# KiCad board panel.kicad_pcb (continued)
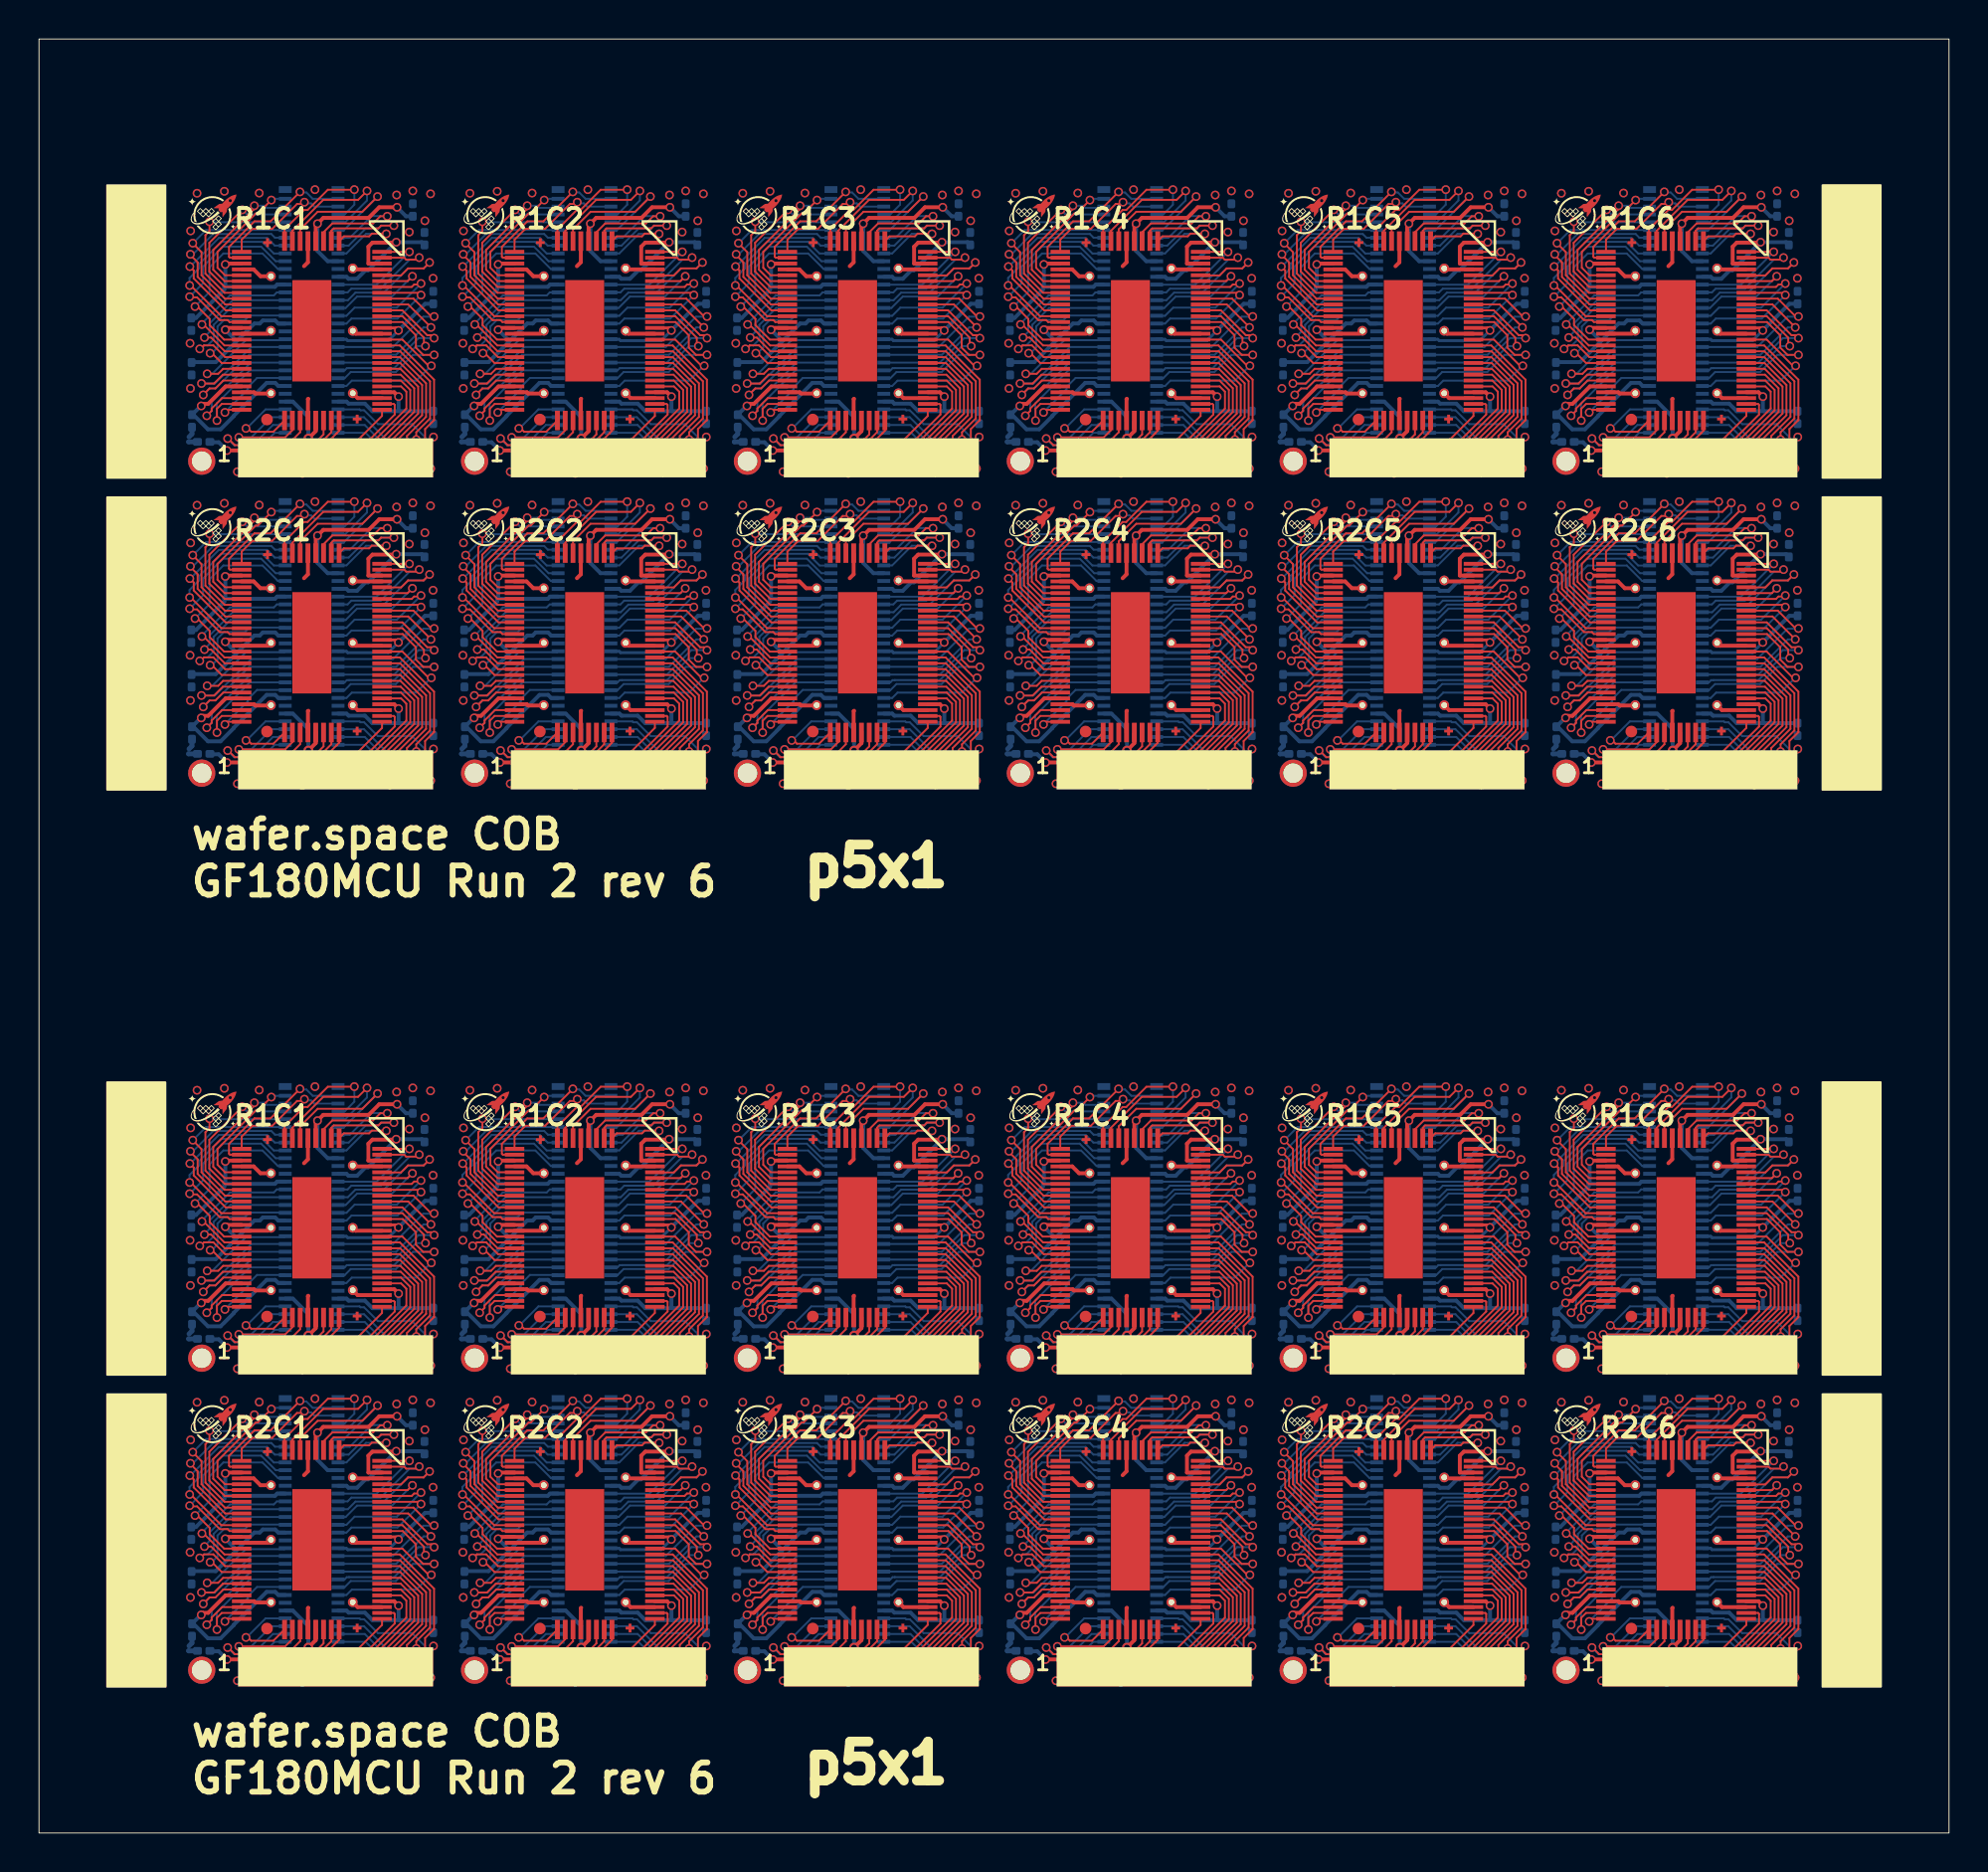
[diagram p0: board, top side]
## Nets (continued)
/bidir_31: U101.28 U101#2.28 U102.56 U102#2.56 U103.28 U103#2.28 U104.56 U104#2.56 U105.28 U105#2.28 U106.56 U106#2.56 U107.28 U107#2.28 U108.56 U108#2.56 U109.28 U109#2.28 U110.56 U110#2.56 U111.28 U111#2.28 U112.56 U112#2.56 U113.28 U113#2.28 U114.56 U114#2.56 U115.28 U115#2.28 U116.56 U116#2.56 U117.28 U117#2.28 U118.56 U118#2.56 U119.28 U119#2.28 U120.56 U120#2.56 U121.28 U121#2.28 U122.56 U122#2.56 U123.28 U123#2.28 U124.56 U124#2.56
/bidir_32: U101.27 U101#2.27 U102.57 U102#2.57 U103.27 U103#2.27 U104.57 U104#2.57 U105.27 U105#2.27 U106.57 U106#2.57 U107.27 U107#2.27 U108.57 U108#2.57 U109.27 U109#2.27 U110.57 U110#2.57 U111.27 U111#2.27 U112.57 U112#2.57 U113.27 U113#2.27 U114.57 U114#2.57 U115.27 U115#2.27 U116.57 U116#2.57 U117.27 U117#2.27 U118.57 U118#2.57 U119.27 U119#2.27 U120.57 U120#2.57 U121.27 U121#2.27 U122.57 U122#2.57 U123.27 U123#2.27 U124.57 U124#2.57
/bidir_33: U101.26 U101#2.26 U102.60 U102#2.60 U103.26 U103#2.26 U104.60 U104#2.60 U105.26 U105#2.26 U106.60 U106#2.60 U107.26 U107#2.26 U108.60 U108#2.60 U109.26 U109#2.26 U110.60 U110#2.60 U111.26 U111#2.26 U112.60 U112#2.60 U113.26 U113#2.26 U114.60 U114#2.60 U115.26 U115#2.26 U116.60 U116#2.60 U117.26 U117#2.26 U118.60 U118#2.60 U119.26 U119#2.26 U120.60 U120#2.60 U121.26 U121#2.26 U122.60 U122#2.60 U123.26 U123#2.26 U124.60 U124#2.60
/bidir_34: U101.23 U101#2.23 U102.61 U102#2.61 U103.23 U103#2.23 U104.61 U104#2.61 U105.23 U105#2.23 U106.61 U106#2.61 U107.23 U107#2.23 U108.61 U108#2.61 U109.23 U109#2.23 U110.61 U110#2.61 U111.23 U111#2.23 U112.61 U112#2.61 U113.23 U113#2.23 U114.61 U114#2.61 U115.23 U115#2.23 U116.61 U116#2.61 U117.23 U117#2.23 U118.61 U118#2.61 U119.23 U119#2.23 U120.61 U120#2.61 U121.23 U121#2.23 U122.61 U122#2.61 U123.23 U123#2.23 U124.61 U124#2.61
/bidir_35: U101.22 U101#2.22 U102.62 U102#2.62 U103.22 U103#2.22 U104.62 U104#2.62 U105.22 U105#2.22 U106.62 U106#2.62 U107.22 U107#2.22 U108.62 U108#2.62 U109.22 U109#2.22 U110.62 U110#2.62 U111.22 U111#2.22 U112.62 U112#2.62 U113.22 U113#2.22 U114.62 U114#2.62 U115.22 U115#2.22 U116.62 U116#2.62 U117.22 U117#2.22 U118.62 U118#2.62 U119.22 U119#2.22 U120.62 U120#2.62 U121.22 U121#2.22 U122.62 U122#2.62 U123.22 U123#2.22 U124.62 U124#2.62
/bidir_36: U101.21 U101#2.21 U102.63 U102#2.63 U103.21 U103#2.21 U104.63 U104#2.63 U105.21 U105#2.21 U106.63 U106#2.63 U107.21 U107#2.21 U108.63 U108#2.63 U109.21 U109#2.21 U110.63 U110#2.63 U111.21 U111#2.21 U112.63 U112#2.63 U113.21 U113#2.21 U114.63 U114#2.63 U115.21 U115#2.21 U116.63 U116#2.63 U117.21 U117#2.21 U118.63 U118#2.63 U119.21 U119#2.21 U120.63 U120#2.63 U121.21 U121#2.21 U122.63 U122#2.63 U123.21 U123#2.21 U124.63 U124#2.63
/bidir_37: U101.20 U101#2.20 U102.64 U102#2.64 U103.20 U103#2.20 U104.64 U104#2.64 U105.20 U105#2.20 U106.64 U106#2.64 U107.20 U107#2.20 U108.64 U108#2.64 U109.20 U109#2.20 U110.64 U110#2.64 U111.20 U111#2.20 U112.64 U112#2.64 U113.20 U113#2.20 U114.64 U114#2.64 U115.20 U115#2.20 U116.64 U116#2.64 U117.20 U117#2.20 U118.64 U118#2.64 U119.20 U119#2.20 U120.64 U120#2.64 U121.20 U121#2.20 U122.64 U122#2.64 U123.20 U123#2.20 U124.64 U124#2.64
/bidir_38: U101.17 U101#2.17 U102.65 U102#2.65 U103.17 U103#2.17 U104.65 U104#2.65 U105.17 U105#2.17 U106.65 U106#2.65 U107.17 U107#2.17 U108.65 U108#2.65 U109.17 U109#2.17 U110.65 U110#2.65 U111.17 U111#2.17 U112.65 U112#2.65 U113.17 U113#2.17 U114.65 U114#2.65 U115.17 U115#2.17 U116.65 U116#2.65 U117.17 U117#2.17 U118.65 U118#2.65 U119.17 U119#2.17 U120.65 U120#2.65 U121.17 U121#2.17 U122.65 U122#2.65 U123.17 U123#2.17 U124.65 U124#2.65
/bidir_39: U101.16 U101#2.16 U102.66 U102#2.66 U103.16 U103#2.16 U104.66 U104#2.66 U105.16 U105#2.16 U106.66 U106#2.66 U107.16 U107#2.16 U108.66 U108#2.66 U109.16 U109#2.16 U110.66 U110#2.66 U111.16 U111#2.16 U112.66 U112#2.66 U113.16 U113#2.16 U114.66 U114#2.66 U115.16 U115#2.16 U116.66 U116#2.66 U117.16 U117#2.16 U118.66 U118#2.66 U119.16 U119#2.16 U120.66 U120#2.66 U121.16 U121#2.16 U122.66 U122#2.66 U123.16 U123#2.16 U124.66 U124#2.66
/bidir_40: U101.15 U101#2.15 U102.67 U102#2.67 U103.15 U103#2.15 U104.67 U104#2.67 U105.15 U105#2.15 U106.67 U106#2.67 U107.15 U107#2.15 U108.67 U108#2.67 U109.15 U109#2.15 U110.67 U110#2.67 U111.15 U111#2.15 U112.67 U112#2.67 U113.15 U113#2.15 U114.67 U114#2.67 U115.15 U115#2.15 U116.67 U116#2.67 U117.15 U117#2.15 U118.67 U118#2.67 U119.15 U119#2.15 U120.67 U120#2.67 U121.15 U121#2.15 U122.67 U122#2.67 U123.15 U123#2.15 U124.67 U124#2.67
/bidir_41: U101.14 U101#2.14 U102.70 U102#2.70 U103.14 U103#2.14 U104.70 U104#2.70 U105.14 U105#2.14 U106.70 U106#2.70 U107.14 U107#2.14 U108.70 U108#2.70 U109.14 U109#2.14 U110.70 U110#2.70 U111.14 U111#2.14 U112.70 U112#2.70 U113.14 U113#2.14 U114.70 U114#2.70 U115.14 U115#2.14 U116.70 U116#2.70 U117.14 U117#2.14 U118.70 U118#2.70 U119.14 U119#2.14 U120.70 U120#2.70 U121.14 U121#2.14 U122.70 U122#2.70 U123.14 U123#2.14 U124.70 U124#2.70
/bidir_42: U101.13 U101#2.13 U102.71 U102#2.71 U103.13 U103#2.13 U104.71 U104#2.71 U105.13 U105#2.13 U106.71 U106#2.71 U107.13 U107#2.13 U108.71 U108#2.71 U109.13 U109#2.13 U110.71 U110#2.71 U111.13 U111#2.13 U112.71 U112#2.71 U113.13 U113#2.13 U114.71 U114#2.71 U115.13 U115#2.13 U116.71 U116#2.71 U117.13 U117#2.13 U118.71 U118#2.71 U119.13 U119#2.13 U120.71 U120#2.71 U121.13 U121#2.13 U122.71 U122#2.71 U123.13 U123#2.13 U124.71 U124#2.71
/bidir_43: U101.12 U101#2.12 U102.72 U102#2.72 U103.12 U103#2.12 U104.72 U104#2.72 U105.12 U105#2.12 U106.72 U106#2.72 U107.12 U107#2.12 U108.72 U108#2.72 U109.12 U109#2.12 U110.72 U110#2.72 U111.12 U111#2.12 U112.72 U112#2.72 U113.12 U113#2.12 U114.72 U114#2.72 U115.12 U115#2.12 U116.72 U116#2.72 U117.12 U117#2.12 U118.72 U118#2.72 U119.12 U119#2.12 U120.72 U120#2.72 U121.12 U121#2.12 U122.72 U122#2.72 U123.12 U123#2.12 U124.72 U124#2.72
/clk: U101.8 U101#2.8 U102.1 U102#2.1 U103.8 U103#2.8 U104.1 U104#2.1 U105.8 U105#2.8 U106.1 U106#2.1 U107.8 U107#2.8 U108.1 U108#2.1 U109.8 U109#2.8 U110.1 U110#2.1 U111.8 U111#2.8 U112.1 U112#2.1 U113.8 U113#2.8 U114.1 U114#2.1 U115.8 U115#2.8 U116.1 U116#2.1 U117.8 U117#2.8 U118.1 U118#2.1 U119.8 U119#2.8 U120.1 U120#2.1 U121.8 U121#2.8 U122.1 U122#2.1 U123.8 U123#2.8 U124.1 U124#2.1
/in_0: U101.6 U101#2.6 U102.3 U102#2.3 U103.6 U103#2.6 U104.3 U104#2.3 U105.6 U105#2.6 U106.3 U106#2.3 U107.6 U107#2.6 U108.3 U108#2.3 U109.6 U109#2.6 U110.3 U110#2.3 U111.6 U111#2.6 U112.3 U112#2.3 U113.6 U113#2.6 U114.3 U114#2.3 U115.6 U115#2.6 U116.3 U116#2.3 U117.6 U117#2.6 U118.3 U118#2.3 U119.6 U119#2.6 U120.3 U120#2.3 U121.6 U121#2.6 U122.3 U122#2.3 U123.6 U123#2.6 U124.3 U124#2.3
/in_1: U101.5 U101#2.5 U102.6 U102#2.6 U103.5 U103#2.5 U104.6 U104#2.6 U105.5 U105#2.5 U106.6 U106#2.6 U107.5 U107#2.5 U108.6 U108#2.6 U109.5 U109#2.5 U110.6 U110#2.6 U111.5 U111#2.5 U112.6 U112#2.6 U113.5 U113#2.5 U114.6 U114#2.6 U115.5 U115#2.5 U116.6 U116#2.6 U117.5 U117#2.5 U118.6 U118#2.6 U119.5 U119#2.5 U120.6 U120#2.6 U121.5 U121#2.5 U122.6 U122#2.6 U123.5 U123#2.5 U124.6 U124#2.6
/in_2: U101.4 U101#2.4 U102.7 U102#2.7 U103.4 U103#2.4 U104.7 U104#2.7 U105.4 U105#2.4 U106.7 U106#2.7 U107.4 U107#2.4 U108.7 U108#2.7 U109.4 U109#2.4 U110.7 U110#2.7 U111.4 U111#2.4 U112.7 U112#2.7 U113.4 U113#2.4 U114.7 U114#2.7 U115.4 U115#2.4 U116.7 U116#2.7 U117.4 U117#2.4 U118.7 U118#2.7 U119.4 U119#2.4 U120.7 U120#2.7 U121.4 U121#2.4 U122.7 U122#2.7 U123.4 U123#2.4 U124.7 U124#2.7
/in_3: U101.3 U101#2.3 U102.8 U102#2.8 U103.3 U103#2.3 U104.8 U104#2.8 U105.3 U105#2.3 U106.8 U106#2.8 U107.3 U107#2.3 U108.8 U108#2.8 U109.3 U109#2.3 U110.8 U110#2.8 U111.3 U111#2.3 U112.8 U112#2.8 U113.3 U113#2.3 U114.8 U114#2.8 U115.3 U115#2.3 U116.8 U116#2.8 U117.3 U117#2.3 U118.8 U118#2.8 U119.3 U119#2.3 U120.8 U120#2.8 U121.3 U121#2.3 U122.8 U122#2.8 U123.3 U123#2.3 U124.8 U124#2.8
/rst_n: U101.7 U101#2.7 U102.2 U102#2.2 U103.7 U103#2.7 U104.2 U104#2.2 U105.7 U105#2.7 U106.2 U106#2.2 U107.7 U107#2.7 U108.2 U108#2.2 U109.7 U109#2.7 U110.2 U110#2.2 U111.7 U111#2.7 U112.2 U112#2.2 U113.7 U113#2.7 U114.2 U114#2.2 U115.7 U115#2.7 U116.2 U116#2.2 U117.7 U117#2.7 U118.2 U118#2.2 U119.7 U119#2.7 U120.2 U120#2.2 U121.7 U121#2.7 U122.2 U122#2.2 U123.7 U123#2.7 U124.2 U124#2.2
PWR_AUX_0: C105.1 C105#2.1 C113.1 C113#2.1 C121.1 C121#2.1 C129.1 C129#2.1 C137.1 C137#2.1 C145.1 C145#2.1 C153.1 C153#2.1 C161.1 C161#2.1 C169.1 C169#2.1 C177.1 C177#2.1 C185.1 C185#2.1 C193.1 C193#2.1 U101.54 U101#2.54 U102.23 U102#2.23 U103.54 U103#2.54 U104.23 U104#2.23 U105.54 U105#2.54 U106.23 U106#2.23 U107.54 U107#2.54 U108.23 U108#2.23 U109.54 U109#2.54 U110.23 U110#2.23 U111.54 U111#2.54 U112.23 U112#2.23 U113.54 U113#2.54 U114.23 U114#2.23 U115.54 U115#2.54 U116.23 U116#2.23 U117.54 U117#2.54 U118.23 U118#2.23 U119.54 U119#2.54 U120.23 U120#2.23 U121.54 U121#2.54 U122.23 U122#2.23 U123.54 U123#2.54 U124.23 U124#2.23
PWR_AUX_1: C106.1 C106#2.1 C114.1 C114#2.1 C122.1 C122#2.1 C130.1 C130#2.1 C138.1 C138#2.1 C146.1 C146#2.1 C154.1 C154#2.1 C162.1 C162#2.1 C170.1 C170#2.1 C178.1 C178#2.1 C186.1 C186#2.1 C194.1 C194#2.1 U101.19 U101#2.19 U102.58 U102#2.58 U103.19 U103#2.19 U104.58 U104#2.58 U105.19 U105#2.19 U106.58 U106#2.58 U107.19 U107#2.19 U108.58 U108#2.58 U109.19 U109#2.19 U110.58 U110#2.58 U111.19 U111#2.19 U112.58 U112#2.58 U113.19 U113#2.19 U114.58 U114#2.58 U115.19 U115#2.19 U116.58 U116#2.58 U117.19 U117#2.19 U118.58 U118#2.58 U119.19 U119#2.19 U120.58 U120#2.58 U121.19 U121#2.19 U122.58 U122#2.58 U123.19 U123#2.19 U124.58 U124#2.58

## Via types
v1: diameter 0.45, hole 0.3, Top to Bottom, 2016 vias
v2: diameter 0.5, hole 0.3, Top to Bottom, 24 vias

## Routing (per net, layer and track width the routed paths; a pad name or vN(x,y) marks a point on that pad's centre or on a via; arc(x,y) is an arc through that point)
GND: length 310.8
  Top w0.15: 53.75,76.89 U108#2.77 ; 81.75,60.89 U124#2.77 ; 81.75,76.89 U112#2.77 ; 25.75,30.89 U104#2.77 ; 39.75,30.89 U106.77 ; 25.75,60.89 U116.77 ; 67.75,30.89 U110#2.77 ; 67.75,60.89 U122.77 ; 25.75,76.89 U104.77 ; 67.75,76.89 U110.77 ; 11.75,76.89 U102.77 ; 67.75,14.89 U122#2.77 ; 81.75,30.89 U112.77 ; 53.75,14.89 U120.77 ; 53.75,60.89 U120#2.77 ; 11.75,30.89 U102#2.77 ; 39.75,60.89 U118#2.77 ; 81.75,14.89 U124.77 ; 39.75,14.89 U118.77 ; 39.75,76.89 U106#2.77 ; 25.75,14.89 U116#2.77 ; 11.75,14.89 U114#2.77 ; 53.75,30.89 U108.77 ; 11.75,60.89 U114.77
  Top w0.2: U124.69 81.03,11.89 81.1,11.82 81.88,11.82 U124.78 ; U120.76 53.36,17.84 53.01,18.19 52.4,18.19 ; U120.69 53.03,11.89 53.1,11.82 53.88,11.82 U120.78 ; 24.4,18.19 25.01,18.19 25.36,17.84 U116#2.76 ; U120.80 58.25,14.89 U120.22 ; 69.6,80.35 69.8,80.55 U110.41 ; U114.22 16.25,60.89 U114.80 ; U116#2.41 27.8,18.55 27.6,18.35 ; U124.22 86.25,14.89 U124.80 ; 80.4,73.88 81.03,73.89 81.1,73.82 81.88,73.82 U112#2.78 ; 27.82,73.55 27.8,73.53 U104.4 ; U120#2.4 55.8,57.53 55.82,57.55 ; 10.4,64.19 11.01,64.19 11.36,63.84 U114.76 ; U104#2.76 25.36,33.84 25.01,34.19 24.4,34.19 ; 59.6,64.19 58.15,64.19 U120#2.81 ; U106#2.81 44.15,80.19 U106#2.33 ; 38.4,18.19 39.01,18.19 39.36,17.84 U118.76 ; 83.6,18.35 83.8,18.55 U124.41 ; 41.6,80.35 41.8,80.55 U106#2.41 ; U114#2.81 16.15,18.19 17.6,18.19 ; 27.6,34.35 27.8,34.55 U104#2.41 ; U112#2.4 83.8,73.53 83.82,73.55 ; U106.11 44.35,27.59 U106.79 ; U114.78 11.88,57.82 11.1,57.82 11.03,57.89 U114.69 ; U120.59 53.75,14.89 ; U108.81 58.15,34.19 59.6,34.19 ; 55.82,27.55 55.8,27.53 U108.4 ; U114#2.4 13.8,11.53 13.82,11.55 ; 69.82,73.55 69.8,73.53 U110.4 ; 27.82,11.55 27.8,11.53 U116#2.4 ; 69.82,57.55 69.8,57.53 U122.4 ; 80.4,64.19 81.01,64.19 81.36,63.84 U124#2.76 ; U110#2.22 72.25,30.89 U110#2.80 ; 69.6,64.35 69.8,64.55 U122.41 ; U114.41 13.8,64.55 13.6,64.35 ; U122#2.81 72.15,18.19 73.6,18.19 ; U118.69 39.03,11.89 39.1,11.82 39.88,11.82 U118.78 ; U102.79 16.35,73.59 U102.11 ; U110#2.81 72.15,34.19 73.6,34.19 ; U124#2.80 86.25,60.89 U124#2.22 ; U116.80 30.25,60.89 U116.22 ; U114#2.76 11.36,17.84 11.01,18.19 10.4,18.19 ; 69.82,27.55 69.8,27.53 U110#2.4 ; U102#2.11 16.35,27.59 U102#2.79 ; U108.79 58.35,27.59 U108.11 ; U106#2.4 41.8,73.53 41.82,73.55 ; U120#2.22 58.25,60.89 U120#2.80 ; U104.33 30.15,80.19 U104.81 ; 83.6,64.35 83.8,64.55 U124#2.41 ; U114#2.80 16.25,14.89 U114#2.22 ; U102#2.78 11.88,27.82 11.1,27.82 11.03,27.89 U102#2.69 ; U112.22 86.25,30.89 U112.80 ; U102.48 11.01,80.19 11.36,79.84 U102.76 ; U106.76 39.36,33.84 39.01,34.19 38.4,34.19 ; U116.78 25.88,57.82 25.1,57.82 25.03,57.89 U116.69 ; U122#2.79 72.35,11.59 U122#2.11 ; U114.11 16.35,57.59 U114.79 ; U112.11 86.35,27.59 U112.79 ; U124.4 83.8,11.53 83.82,11.55 ; 55.6,34.35 55.8,34.55 U108.41 ; U104#2.78 25.88,27.82 25.1,27.82 25.03,27.89 U104#2.69 ; 13.6,18.35 13.8,18.55 U114#2.41 ; U106.80 44.25,30.89 U106.22 ; U124#2.81 86.15,64.19 87.6,64.19 ; 73.6,64.19 72.15,64.19 U122.81 ; 13.82,73.55 13.8,73.53 U102.4 ; U102.81 16.15,80.19 U102.33 ; U116#2.81 30.15,18.19 31.6,18.19 ; U104#2.79 30.35,27.59 U104#2.11 ; U124#2.78 81.88,57.82 81.1,57.82 81.03,57.89 U124#2.69 ; U110#2.69 67.03,27.89 67.1,27.82 67.88,27.82 U110#2.78 ; U118#2.41 41.8,64.55 41.6,64.35 ; U108#2.79 58.35,73.59 U108#2.11 ; U118.80 44.25,14.89 U118.22 ; U118.79 44.35,11.59 U118.11 ; U108.76 53.36,33.84 53.01,34.19 52.4,34.19 ; U104.48 25.01,80.19 25.36,79.84 U104.76 ; U118#2.76 39.36,63.84 39.01,64.19 38.4,64.19 ; U106#2.48 39.01,80.19 39.36,79.84 U106#2.76 ; 83.6,34.35 83.8,34.55 U112.41 ; U110.80 72.25,76.89 73.6,76.89 ; 55.6,64.35 55.8,64.55 U120#2.41 ; U108#2.76 53.36,79.84 53.01,80.19 U108#2.48 ; U118#2.78 39.88,57.82 39.1,57.82 39.03,57.89 U118#2.69 ; U112.76 81.36,33.84 81.01,34.19 80.4,34.19 ; U108.78 53.88,27.82 53.1,27.82 53.03,27.89 U108.69 ; U118#2.59 39.75,60.89 ; 27.6,80.35 27.8,80.55 U104.41 ; 69.6,34.35 69.8,34.55 U110#2.41 ; U112#2.76 81.36,79.84 81.01,80.19 U112#2.48 ; U124.81 86.15,18.19 87.6,18.19 ; U120#2.76 53.36,63.84 53.01,64.19 52.4,64.19 ; 10.4,73.88 11.03,73.89 11.1,73.82 11.88,73.82 U102.78 ; U122.76 67.36,63.84 67.01,64.19 66.4,64.19 ; U112#2.79 86.35,73.59 U112#2.11 ; U118.41 41.8,18.55 41.6,18.35 ; U118#2.4 41.8,57.53 41.82,57.55 ; 87.6,34.19 86.15,34.19 U112.81 ; U114#2.11 16.35,11.59 U114#2.79 ; U122.22 72.25,60.89 U122.80 ; U104#2.81 30.15,34.19 31.6,34.19 ; U120#2.11 58.35,57.59 U120#2.79 ; U118#2.11 44.35,57.59 U118#2.79 ; 80.4,76.89 81.75,76.89 ; 55.6,18.35 55.8,18.55 U120.41 ; 45.6,18.19 44.15,18.19 U118.81 ; 17.6,76.89 16.25,76.89 U102.80 ; U106#2.78 39.88,73.82 39.1,73.82 39.03,73.89 38.4,73.88 ; U122#2.59 67.75,14.89 ; U116#2.78 25.88,11.82 25.1,11.82 25.03,11.89 U116#2.69 ; U122.69 67.03,57.89 67.1,57.82 67.88,57.82 U122.78 ; U112.69 81.03,27.89 81.1,27.82 81.88,27.82 U112.78 ; 66.4,34.19 67.01,34.19 67.36,33.84 U110#2.76 ; 66.4,18.19 67.01,18.19 67.36,17.84 U122#2.76 ; 45.6,76.89 44.25,76.89 U106#2.80 ; U114.4 13.8,57.53 13.82,57.55 ; 38.4,76.89 39.75,76.89 ; U124.79 86.35,11.59 U124.11 ; 66.4,76.89 67.75,76.89 ; U110.79 72.35,73.59 U110.11 ; U122#2.41 69.8,18.55 69.6,18.35 ; U112#2.80 86.25,76.89 87.6,76.89 ; U114#2.59 11.75,14.89 ; U102.41 13.8,80.55 13.6,80.35 ; U104#2.4 27.8,27.53 27.82,27.55 ; U110.33 72.15,80.19 U110.81 ; U118#2.22 44.25,60.89 U118#2.80 ; U120.79 58.35,11.59 U120.11 ; U120#2.59 53.75,60.89 ; U114#2.78 11.88,11.82 11.1,11.82 11.03,11.89 U114#2.69 ; U102#2.76 11.36,33.84 11.01,34.19 10.4,34.19 ; U116.41 27.8,64.55 27.6,64.35 ; U106.41 41.8,34.55 41.6,34.35 ; 59.6,76.89 58.25,76.89 U108#2.80 ; U120#2.69 53.03,57.89 53.1,57.82 53.88,57.82 U120#2.78 ; U108#2.33 58.15,80.19 U108#2.81 ; U122.11 72.35,57.59 U122.79 ; 55.82,11.55 55.8,11.53 U120.4 ; 45.6,64.19 44.15,64.19 U118#2.81 ; U104#2.59 25.75,30.89 ; U106.81 44.15,34.19 45.6,34.19 ; U108.59 53.75,30.89 ; 17.6,64.19 16.15,64.19 U114.81 ; U116.79 30.35,57.59 U116.11 ; U106#2.11 44.35,73.59 U106#2.79 ; 80.4,18.19 81.01,18.19 81.36,17.84 U124.76 ; U114.59 11.75,60.89 ; U122#2.22 72.25,14.89 U122#2.80 ; U118.59 39.75,14.89 ; 17.6,34.19 16.15,34.19 U102#2.81 ; U112.59 81.75,30.89 ; U104.79 30.35,73.59 U104.11 ; U112#2.33 86.15,80.19 U112#2.81 ; U116.59 25.75,60.89 ; U110.48 67.01,80.19 67.36,79.84 U110.76 ; 31.6,76.89 30.25,76.89 U104.80 ; U102#2.41 13.8,34.55 13.6,34.35 ; U120.81 58.15,18.19 59.6,18.19 ; U110#2.79 72.35,27.59 U110#2.11 ; U124#2.59 81.75,60.89 ; 27.82,57.55 27.8,57.53 U116.4 ; 83.82,57.55 83.8,57.53 U124#2.4 ; U106.78 39.88,27.82 39.1,27.82 39.03,27.89 U106.69 ; U110.78 67.88,73.82 67.1,73.82 67.03,73.89 66.4,73.88 ; U124#2.79 86.35,57.59 U124#2.11 ; U108#2.41 55.8,80.55 55.6,80.35 ; U122.59 67.75,60.89 ; U104#2.80 30.25,30.89 U104#2.22 ; U106.59 39.75,30.89 ; 83.6,80.35 83.8,80.55 U112#2.41 ; U106.4 41.8,27.53 41.82,27.55 ; U118.4 41.8,11.53 41.82,11.55 ; 24.4,73.88 25.03,73.89 25.1,73.82 25.88,73.82 U104.78 ; U116#2.22 30.25,14.89 U116#2.80 ; 13.82,27.55 13.8,27.53 U102#2.4 ; U122#2.78 67.88,11.82 67.1,11.82 67.03,11.89 U122#2.69 ; 69.82,11.55 69.8,11.53 U122#2.4 ; 83.82,27.55 83.8,27.53 U112.4 ; U108#2.78 53.88,73.82 53.1,73.82 53.03,73.89 52.4,73.88 ; 55.82,73.55 55.8,73.53 U108#2.4 ; U116.81 30.15,64.19 31.6,64.19 ; 10.4,76.89 11.75,76.89 ; 24.4,64.19 25.01,64.19 25.36,63.84 U116.76 ; U108.80 58.25,30.89 U108.22 ; U110#2.59 67.75,30.89 ; 24.4,76.89 25.75,76.89 ; U102#2.59 11.75,30.89 ; U102#2.22 16.25,30.89 U102#2.80 ; U116#2.11 30.35,11.59 U116#2.79 ; 52.4,76.89 53.75,76.89 ; U116#2.59 25.75,14.89 ; U124.59 81.75,14.89
  Bottom w0.2: 21.85,31.16 21.87,31.16 ; 49.85,61.16 49.87,61.16 ; 49.85,77.16 49.87,77.16 ; 77.85,77.16 77.87,77.16 ; 63.85,77.16 63.87,77.16 ; 77.85,15.16 77.87,15.16 ; 21.85,77.16 21.87,77.16 ; 7.85,61.16 7.87,61.16 ; 7.85,31.16 7.87,31.16 ; 35.85,77.16 35.87,77.16 ; 7.85,77.16 7.87,77.16 ; 21.85,61.16 21.87,61.16 ; 63.85,31.16 63.87,31.16 ; 7.85,15.16 7.87,15.16 ; 77.85,61.16 77.87,61.16 ; 63.85,15.16 63.87,15.16 ; 63.85,61.16 63.87,61.16 ; 21.85,15.16 21.87,15.16 ; 49.85,15.16 49.87,15.16 ; 35.85,61.16 35.87,61.16 ; 35.85,15.16 35.87,15.16 ; 49.85,31.16 49.87,31.16 ; 35.85,31.16 35.87,31.16 ; 77.85,31.16 77.87,31.16
  Bottom w0.25: 77.7,25.6 77.85,25.75 C144.2 ; C150.2 7.68,9.34 7.67,9.35 ; 7.67,71.34 7.68,71.34 C102#2.2 ; 35.67,55.35 35.68,55.34 C166#2.2 ; 35.7,55.6 35.85,55.75 C168#2.2 ; 7.7,25.6 7.85,25.75 C104.2 ; 49.67,55.35 49.68,55.34 C174#2.2 ; C168.2 35.85,9.75 35.7,9.6 ; 35.7,71.59 35.85,71.75 C120.2 ; C110.2 21.68,71.34 21.67,71.34 ; C110#2.2 21.68,25.34 21.67,25.35 ; C192#2.2 77.85,9.75 77.7,9.6 ; 49.7,55.6 49.85,55.75 C176.2 ; C136#2.2 63.85,25.75 63.7,25.6 ; C160.2 21.85,9.75 21.7,9.6 ; 63.67,55.35 63.68,55.34 C182#2.2 ; 35.7,25.6 35.85,25.75 C120#2.2 ; 49.67,71.34 49.68,71.34 C126#2.2 ; C134#2.2 63.68,25.34 63.67,25.35 ; 7.7,9.6 7.85,9.75 C152.2 ; 63.7,71.59 63.85,71.75 C136.2 ; 77.67,55.35 77.68,55.34 C190#2.2 ; C182.2 63.68,9.34 63.67,9.35 ; 63.67,71.34 63.68,71.34 C134.2 ; C184#2.2 63.85,9.75 63.7,9.6 ; 49.67,25.35 49.68,25.34 C126.2 ; C160#2.2 21.85,55.75 21.7,55.6 ; 7.67,55.35 7.68,55.34 C150#2.2 ; C190.2 77.68,9.34 77.67,9.35 ; C152#2.2 7.85,55.75 7.7,55.6 ; C184.2 63.85,55.75 63.7,55.6 ; 35.67,9.35 35.68,9.34 C166.2 ; 21.67,9.35 21.68,9.34 C158#2.2 ; C176#2.2 49.85,9.75 49.7,9.6 ; C192.2 77.85,55.75 77.7,55.6 ; 21.7,71.59 21.85,71.75 C112.2 ; 77.7,71.59 77.85,71.75 C144#2.2 ; C128.2 49.85,25.75 49.7,25.6 ; C158.2 21.68,55.34 21.67,55.35 ; 7.7,71.59 7.85,71.75 C104#2.2 ; C118#2.2 35.68,71.34 35.67,71.34 ; 77.67,25.35 77.68,25.34 C142.2 ; 49.67,9.35 49.68,9.34 C174.2 ; 7.67,25.35 7.68,25.34 C102.2 ; C112#2.2 21.85,25.75 21.7,25.6 ; 49.7,71.59 49.85,71.75 C128#2.2 ; C142#2.2 77.68,71.34 77.67,71.34 ; 35.67,25.35 35.68,25.34 C118.2
  vias: v1(7.78,82.16) v1(7.75,76.4) v1(7.77,74.08) v1(7.78,66.16) v1(7.75,60.4) v1(7.77,58.08) v1(7.78,36.16) v1(7.75,30.4) v1(7.77,28.08) v1(7.78,20.16) v1(7.75,14.4) v1(7.77,12.08) v1(8.11,84.09) v1(8.11,68.09) v1(8.11,38.09) v1(8.11,22.09) v1(9.51,84.19) v1(9.51,68.19) v1(9.51,38.19) v1(9.51,22.19) v1(10.18,69.81) v1(10.18,53.81) v1(10.18,23.81) v1(10.18,7.81) v1(11.3,84.1) v1(11.3,68.1) v1(11.3,38.1) v1(11.3,22.1) v1(13.52,69.73) v1(13.52,53.73) v1(13.52,23.73) v1(13.52,7.73) v1(14.16,84.28) v1(14.16,68.28) v1(14.16,38.28) v1(14.16,22.28) v1(18,69.75) v1(18,53.75) v1(18,23.75) v1(18,7.75) v1(18.35,84) v1(18.35,68) v1(18.35,38) v1(18.35,22) v1(19,82.1) v1(19,66.1) v1(19,36.1) v1(19,20.1) v1(19.18,84.21) v1(19.17,70.15) v1(19.18,68.21) v1(19.17,54.15) v1(19.18,38.21) v1(19.17,24.15) v1(19.18,22.21) v1(19.17,8.15) v1(19.8,82.68) v1(19.8,66.68) v1(19.8,36.68) v1(19.8,20.68) v1(20.09,84.06) v1(20.1,69.97) v1(20.09,68.06) v1(20.1,53.97) v1(20.09,38.06) v1(20.1,23.97) v1(20.09,22.06) v1(20.1,7.97) v1(20.22,79.73) v1(20.24,71.59) v1(20.22,63.73) v1(20.24,55.59) v1(20.22,33.73) v1(20.24,25.59) v1(20.22,17.73) v1(20.24,9.59) v1(21.78,82.16) v1(21.75,76.4) v1(21.77,74.08) v1(21.78,66.16) v1(21.75,60.4) v1(21.77,58.08) v1(21.78,36.16) v1(21.75,30.4) v1(21.77,28.08) v1(21.78,20.16) v1(21.75,14.4) v1(21.77,12.08) v1(22.11,84.09) v1(22.11,68.09) v1(22.11,38.09) v1(22.11,22.09) v1(23.51,84.19) v1(23.51,68.19) v1(23.51,38.19) v1(23.51,22.19) v1(24.18,69.81) v1(24.18,53.81) v1(24.18,23.81) v1(24.18,7.81) v1(25.3,84.1) v1(25.3,68.1) v1(25.3,38.1) v1(25.3,22.1) v1(27.52,69.73) v1(27.52,53.73) v1(27.52,23.73) v1(27.52,7.73) v1(28.16,84.28) v1(28.16,68.28) v1(28.16,38.28) v1(28.16,22.28) v1(32,69.75) v1(32,53.75) v1(32,23.75) v1(32,7.75) v1(32.35,84) v1(32.35,68) v1(32.35,38) v1(32.35,22) v1(33,82.1) v1(33,66.1) v1(33,36.1) v1(33,20.1) v1(33.18,84.21) v1(33.17,70.15) v1(33.18,68.21) v1(33.17,54.15) v1(33.18,38.21) v1(33.17,24.15) v1(33.18,22.21) v1(33.17,8.15) v1(33.8,82.68) v1(33.8,66.68) v1(33.8,36.68) v1(33.8,20.68) v1(34.09,84.06) v1(34.1,69.97) v1(34.09,68.06) v1(34.1,53.97) v1(34.09,38.06) v1(34.1,23.97) v1(34.09,22.06) v1(34.1,7.97) v1(34.22,79.73) v1(34.24,71.59) v1(34.22,63.73) v1(34.24,55.59) v1(34.22,33.73) v1(34.24,25.59) v1(34.22,17.73) v1(34.24,9.59) v1(35.78,82.16) v1(35.75,76.4) v1(35.77,74.08) v1(35.78,66.16) v1(35.75,60.4) v1(35.77,58.08) v1(35.78,36.16) v1(35.75,30.4) v1(35.77,28.08) v1(35.78,20.16) v1(35.75,14.4) v1(35.77,12.08) v1(36.11,84.09) v1(36.11,68.09) v1(36.11,38.09) v1(36.11,22.09) v1(37.51,84.19) v1(37.51,68.19) v1(37.51,38.19) v1(37.51,22.19) v1(38.18,69.81) v1(38.18,53.81) v1(38.18,23.81) v1(38.18,7.81) v1(39.3,84.1) v1(39.3,68.1) v1(39.3,38.1) v1(39.3,22.1) v1(41.52,69.73) v1(41.52,53.73) v1(41.52,23.73) v1(41.52,7.73) v1(42.16,84.28) v1(42.16,68.28) v1(42.16,38.28) v1(42.16,22.28) v1(46,69.75) v1(46,53.75) v1(46,23.75) v1(46,7.75) v1(46.35,84) v1(46.35,68) v1(46.35,38) v1(46.35,22) v1(47,82.1) v1(47,66.1) v1(47,36.1) v1(47,20.1) v1(47.18,84.21) v1(47.17,70.15) v1(47.18,68.21) v1(47.17,54.15) v1(47.18,38.21) v1(47.17,24.15) v1(47.18,22.21) v1(47.17,8.15) v1(47.8,82.68) v1(47.8,66.68) v1(47.8,36.68) v1(47.8,20.68) v1(48.09,84.06) v1(48.1,69.97) v1(48.09,68.06) v1(48.1,53.97) v1(48.09,38.06) v1(48.1,23.97) v1(48.09,22.06) v1(48.1,7.97) v1(48.22,79.73) v1(48.24,71.59) v1(48.22,63.73) v1(48.24,55.59) v1(48.22,33.73) v1(48.24,25.59) v1(48.22,17.73) v1(48.24,9.59) v1(49.78,82.16) v1(49.75,76.4) v1(49.77,74.08) v1(49.78,66.16) v1(49.75,60.4) v1(49.77,58.08) v1(49.78,36.16) v1(49.75,30.4) v1(49.77,28.08) v1(49.78,20.16) v1(49.75,14.4) v1(49.77,12.08) v1(50.11,84.09) v1(50.11,68.09) v1(50.11,38.09) v1(50.11,22.09) v1(51.51,84.19) v1(51.51,68.19) v1(51.51,38.19) v1(51.51,22.19) v1(52.18,69.81) v1(52.18,53.81) v1(52.18,23.81) v1(52.18,7.81) v1(53.3,84.1) v1(53.3,68.1) v1(53.3,38.1) v1(53.3,22.1) v1(55.52,69.73) v1(55.52,53.73) v1(55.52,23.73) v1(55.52,7.73) v1(56.16,84.28) v1(56.16,68.28) v1(56.16,38.28) v1(56.16,22.28) v1(60,69.75) v1(60,53.75) v1(60,23.75) v1(60,7.75) v1(60.35,84) v1(60.35,68) v1(60.35,38) v1(60.35,22) v1(61,82.1) v1(61,66.1) v1(61,36.1) v1(61,20.1) v1(61.18,84.21) v1(61.17,70.15) v1(61.18,68.21) v1(61.17,54.15) v1(61.18,38.21) v1(61.17,24.15) v1(61.18,22.21) v1(61.17,8.15) v1(61.8,82.68) v1(61.8,66.68) v1(61.8,36.68) v1(61.8,20.68) v1(62.09,84.06) v1(62.1,69.97) v1(62.09,68.06) v1(62.1,53.97) v1(62.09,38.06) v1(62.1,23.97) v1(62.09,22.06) v1(62.1,7.97) v1(62.22,79.73) v1(62.24,71.59) v1(62.22,63.73) v1(62.24,55.59) v1(62.22,33.73) v1(62.24,25.59) v1(62.22,17.73) v1(62.24,9.59) v1(63.78,82.16) v1(63.75,76.4) v1(63.77,74.08) v1(63.78,66.16) v1(63.75,60.4) v1(63.77,58.08) v1(63.78,36.16) v1(63.75,30.4) v1(63.77,28.08) v1(63.78,20.16) v1(63.75,14.4) v1(63.77,12.08) v1(64.11,84.09) v1(64.11,68.09) v1(64.11,38.09) v1(64.11,22.09) v1(65.51,84.19) v1(65.51,68.19) v1(65.51,38.19) v1(65.51,22.19) v1(66.18,69.81) v1(66.18,53.81) v1(66.18,23.81) v1(66.18,7.81) v1(67.3,84.1) v1(67.3,68.1) v1(67.3,38.1) v1(67.3,22.1) v1(69.52,69.73) v1(69.52,53.73) v1(69.52,23.73) v1(69.52,7.73) v1(70.16,84.28) v1(70.16,68.28) v1(70.16,38.28) v1(70.16,22.28) v1(74,69.75) v1(74,53.75) v1(74,23.75) v1(74,7.75) v1(74.35,84) v1(74.35,68) v1(74.35,38) v1(74.35,22) v1(75,82.1) v1(75,66.1) v1(75,36.1) v1(75,20.1) v1(75.18,84.21) v1(75.17,70.15) v1(75.18,68.21) v1(75.17,54.15) v1(75.18,38.21) v1(75.17,24.15) v1(75.18,22.21) v1(75.17,8.15) v1(75.8,82.68) v1(75.8,66.68) v1(75.8,36.68) v1(75.8,20.68) v1(76.09,84.06) v1(76.1,69.97) v1(76.09,68.06) v1(76.1,53.97) v1(76.09,38.06) v1(76.1,23.97) v1(76.09,22.06) v1(76.1,7.97) v1(76.22,79.73) v1(76.24,71.59) v1(76.22,63.73) v1(76.24,55.59) v1(76.22,33.73) v1(76.24,25.59) v1(76.22,17.73) v1(76.24,9.59) v1(77.78,82.16) v1(77.75,76.4) v1(77.77,74.08) v1(77.78,66.16) v1(77.75,60.4) v1(77.77,58.08) v1(77.78,36.16) v1(77.75,30.4) v1(77.77,28.08) v1(77.78,20.16) v1(77.75,14.4) v1(77.77,12.08) v1(78.11,84.09) v1(78.11,68.09) v1(78.11,38.09) v1(78.11,22.09) v1(79.51,84.19) v1(79.51,68.19) v1(79.51,38.19) v1(79.51,22.19) v1(80.18,69.81) v1(80.18,53.81) v1(80.18,23.81) v1(80.18,7.81) v1(81.3,84.1) v1(81.3,68.1) v1(81.3,38.1) v1(81.3,22.1) v1(83.52,69.73) v1(83.52,53.73) v1(83.52,23.73) v1(83.52,7.73) v1(84.16,84.28) v1(84.16,68.28) v1(84.16,38.28) v1(84.16,22.28) v1(88,69.75) v1(88,53.75) v1(88,23.75) v1(88,7.75) v1(88.35,84) v1(88.35,68) v1(88.35,38) v1(88.35,22) v1(89,82.1) v1(89,66.1) v1(89,36.1) v1(89,20.1) v1(89.18,84.21) v1(89.17,70.15) v1(89.18,68.21) v1(89.17,54.15) v1(89.18,38.21) v1(89.17,24.15) v1(89.18,22.21) v1(89.17,8.15) v1(89.8,82.68) v1(89.8,66.68) v1(89.8,36.68) v1(89.8,20.68) v1(90.09,84.06) v1(90.1,69.97) v1(90.09,68.06) v1(90.1,53.97) v1(90.09,38.06) v1(90.1,23.97) v1(90.09,22.06) v1(90.1,7.97) v1(90.22,79.73) v1(90.24,71.59) v1(90.22,63.73) v1(90.24,55.59) v1(90.22,33.73) v1(90.24,25.59) v1(90.22,17.73) v1(90.24,9.59)
VDD_CORE_0: length 202.7
  Top w0.2: v1(46.33,65.58) 46.31,65.56 45.11,65.56 44.9,65.35 44.9,64.49 U118#2.34 ; v1(32.33,35.58) 32.31,35.56 31.11,35.56 30.9,35.35 30.9,34.49 U104#2.34 ; U116#2.34 30.9,18.49 30.9,19.35 31.11,19.56 32.31,19.56 v1(32.33,19.58) ; v1(32.33,81.58) 32.31,81.56 31.11,81.56 30.9,81.35 30.9,80.49 31.6,80.49 ; 59.6,80.49 58.9,80.49 58.9,81.35 59.11,81.56 60.31,81.56 v1(60.33,81.58) ; U118.34 44.9,18.49 44.9,19.35 45.11,19.56 46.31,19.56 v1(46.33,19.58) ; v1(88.33,81.58) 88.31,81.56 87.11,81.56 86.9,81.35 86.9,80.49 87.6,80.49 ; v1(18.33,19.58) 18.31,19.56 17.11,19.56 16.9,19.35 16.9,18.49 U114#2.34 ; v1(46.33,81.58) 46.31,81.56 45.11,81.56 44.9,81.35 44.9,80.49 45.6,80.49 ; U108.34 58.9,34.49 58.9,35.35 59.11,35.56 60.31,35.56 v1(60.33,35.58) ; U114.34 16.9,64.49 16.9,65.35 17.11,65.56 18.31,65.56 v1(18.33,65.58) ; v1(74.33,81.58) 74.31,81.56 73.11,81.56 72.9,81.35 72.9,80.49 73.6,80.49 ; v1(60.33,19.58) 60.31,19.56 59.11,19.56 58.9,19.35 58.9,18.49 U120.34 ; U116.34 30.9,64.49 30.9,65.35 31.11,65.56 32.31,65.56 v1(32.33,65.58) ; v1(74.33,65.58) 74.31,65.56 73.11,65.56 72.9,65.35 72.9,64.49 U122.34 ; v1(46.33,35.58) 46.31,35.56 45.11,35.56 44.9,35.35 44.9,34.49 U106.34 ; 17.6,80.49 16.9,80.49 16.9,81.35 17.11,81.56 18.31,81.56 v1(18.33,81.58) ; U120#2.34 58.9,64.49 58.9,65.35 59.11,65.56 60.31,65.56 v1(60.33,65.58) ; v1(88.33,19.58) 88.31,19.56 87.11,19.56 86.9,19.35 86.9,18.49 U124.34 ; v1(18.33,35.58) 18.31,35.56 17.11,35.56 16.9,35.35 16.9,34.49 U102#2.34 ; U124#2.34 86.9,64.49 86.9,65.35 87.11,65.56 88.31,65.56 v1(88.33,65.58) ; v1(74.33,35.58) 74.31,35.56 73.11,35.56 72.9,35.35 72.9,34.49 U110#2.34 ; v1(74.33,19.58) 74.31,19.56 73.11,19.56 72.9,19.35 72.9,18.49 U122#2.34 ; U112.34 86.9,34.49 86.9,35.35 87.11,35.56 88.31,35.56 v1(88.33,35.58)